# Altium PCB BananaBoard_PCB_4_LAYERS.PcbDoc (part 2 of 3) (continued)
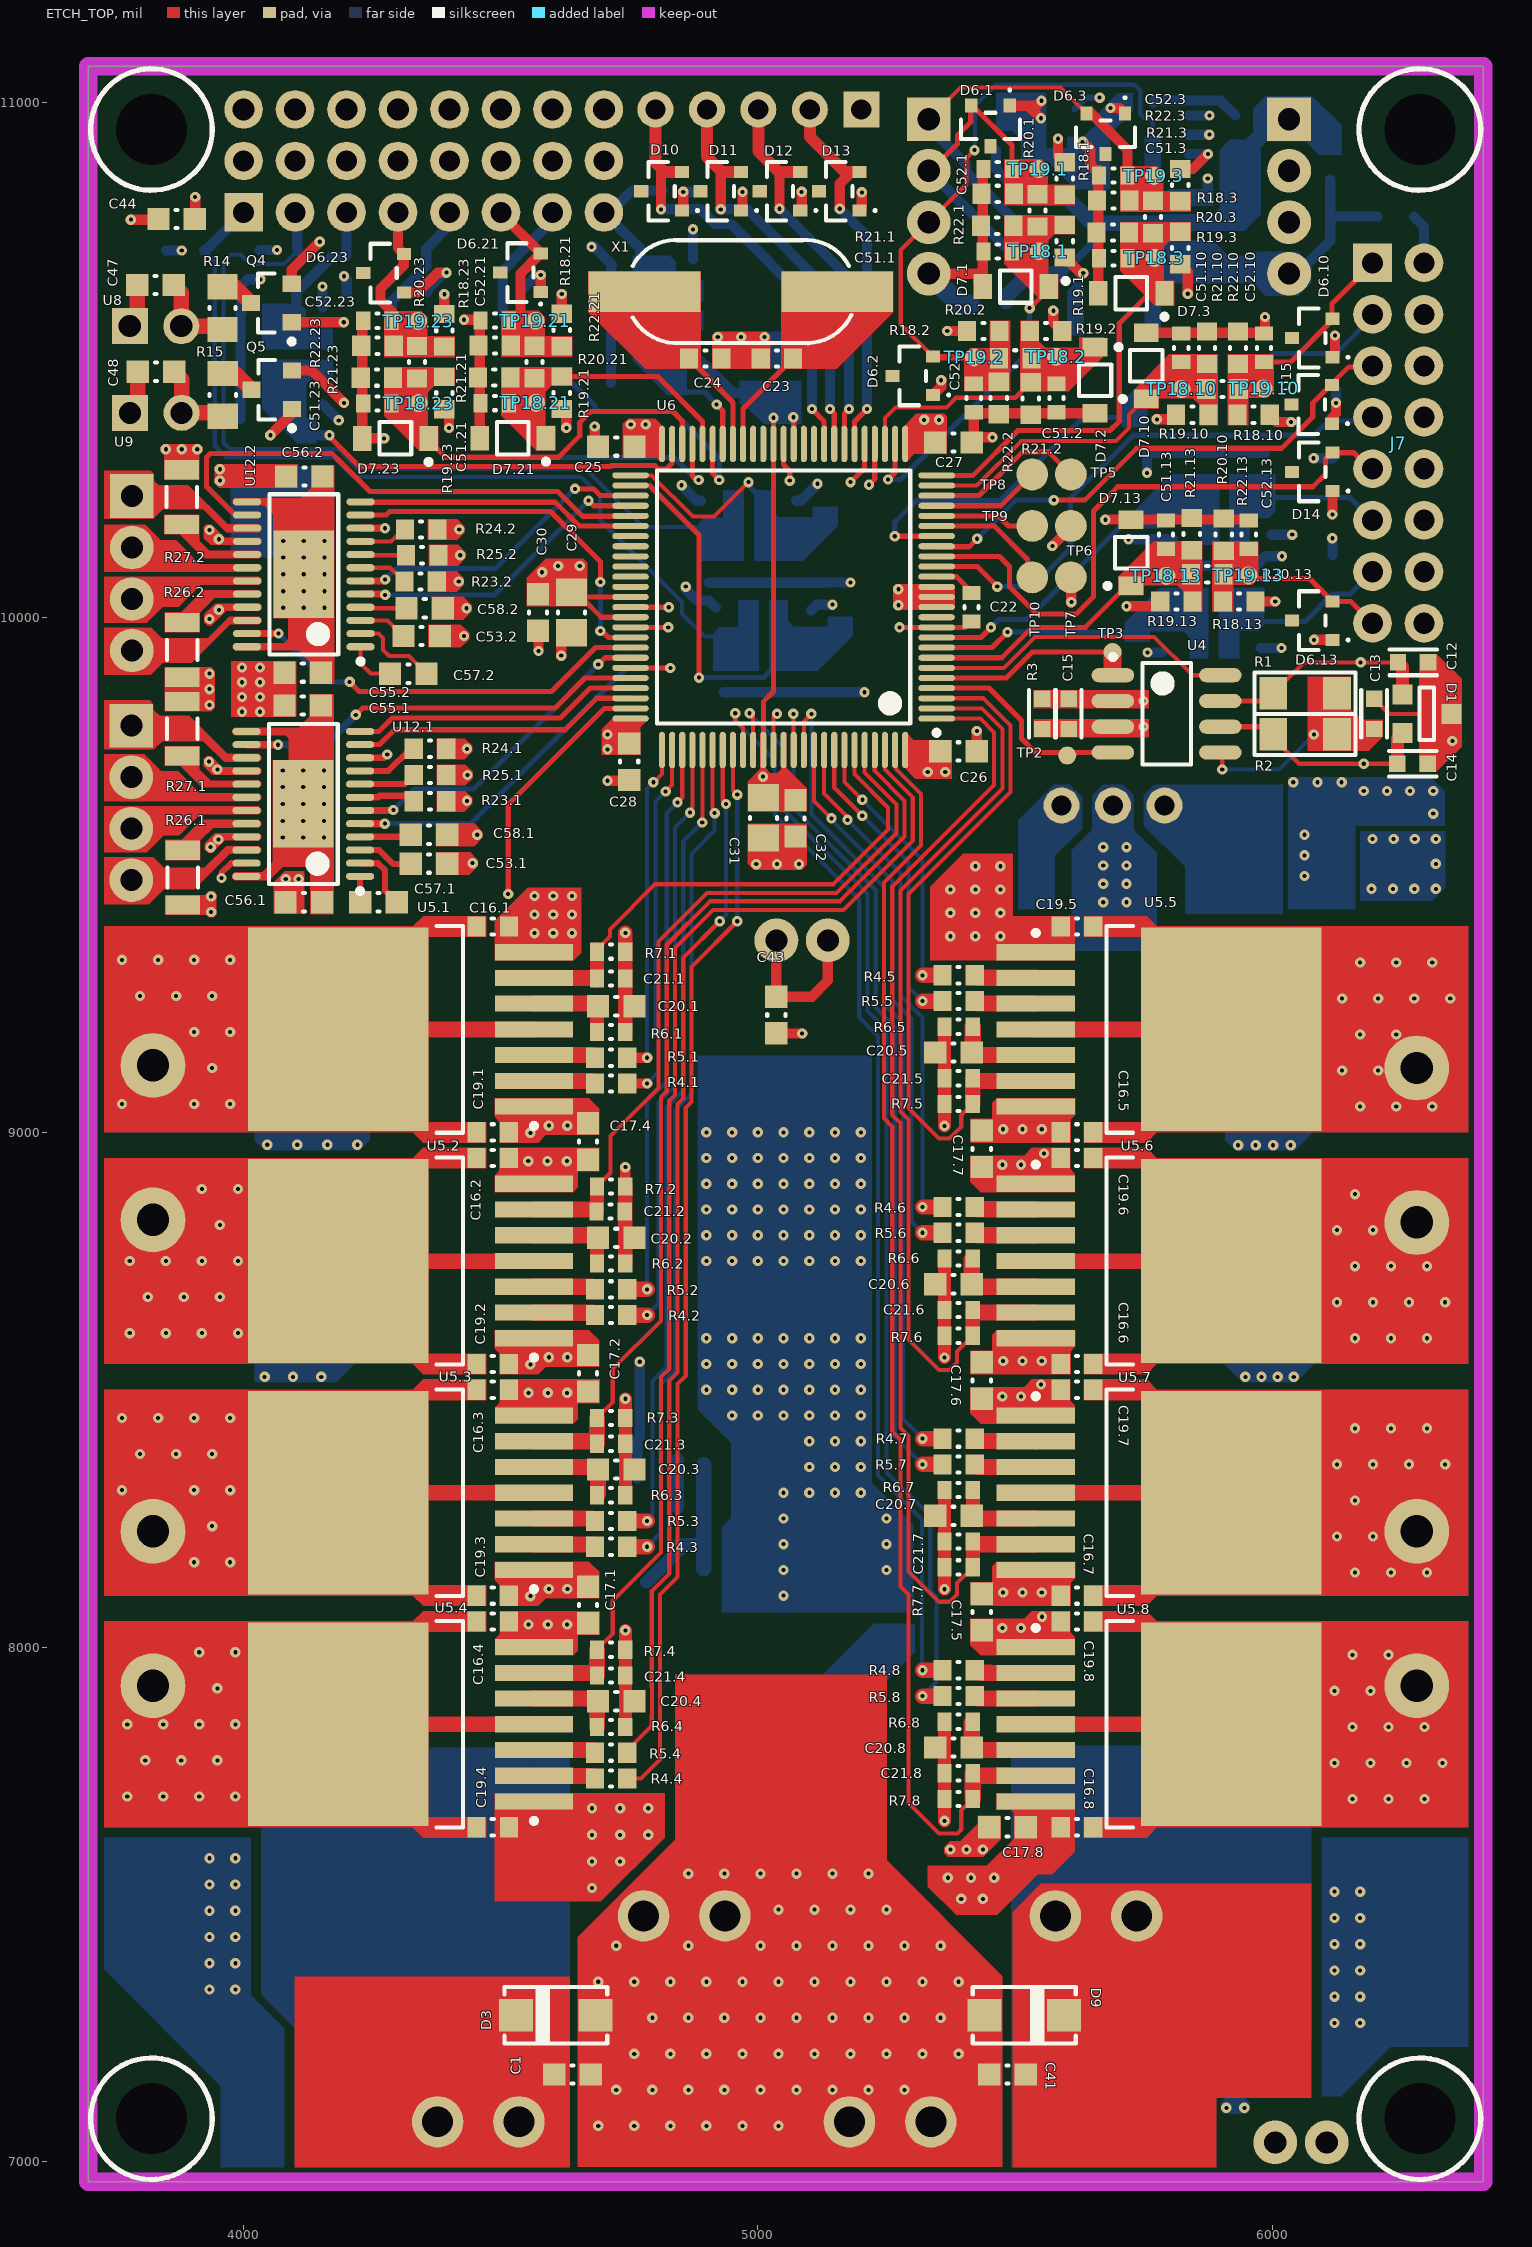
[diagram p0: ETCH_TOP view]
## Nets (pads, with @x,y where several pads share a name; then routed paths per layer and width w, separated by ;. In a path a pad name is that pad's centre, name@x,y a point inside that pad or via, vN(x,y) a via of type N, cw(c..) or ccw(c..) an arc to the next point about the centre after c; other vN are vias at no path point) (continued)
  ETCH_TOP w8: U6.87@5030.31,9742.76 5030.31,9806.32 v1(5037,9813)
  ETCH_TOP w10: U6.66@4752.76,9980.94 4752.81,9981 v1(4826,9981) ; U6.64@4752.76,10020.32 4753.07,10020 v1(4827,10020) ; U6.38@5050,10337.24 5050,10297 5062,10285 v1(5062,10266) ; v1@5275,9980.94 U6.10@5347.24,9980.94 5403.5,9980.94 C22.1@5415,9992.44 ; U4.2@5689.67,9838 v1(5749,9838)
  ETCH_TOP w20: v1(3782,10773) C44.1@3834.57,10773 ; Q4.2@4094.37,10648.4 4094.37,10675.37 v1(4149,10730) ; Q5.2@4095,10480 4133,10480 v1(4196,10417) ; C52.23.1@4231.63,10574.69 D7.23.2@4231.63,10348 v1(4274,10348) ; C52.23.1@4231.95,10578 C52.23.1@4232,10578.05 ; D6.23.1@4312.37,10631.6 4339.6,10631.6 4378,10670 v1(4395,10670) ; v1(4429,10578.5) C52.21.1@4459.95,10578.5 ; D7.21.2@4459.63,10348.5 C52.21.1@4459.63,10575.2 ; C30.1@4573,9974.57 4575,9972.57 4574,9971.57 v1(4574,9935) ; D6.21.1@4578.37,10632.6 v1(4578.37,10665.37) ; v1(4618,9926) 4618,9950.63 C29.1@4638,9970.63 ; C25.1@4683,10338.57 v1(4683,10371) ; v1(4708,9683) 4748.43,9683 C28.1@4750,9684.57 ; R7.2.1@4742.56,8895 v1(4742.56,8932.44) ; D10.1@4855,10793.23 v1(4855,10827) ; D11.1@4970,10793.23 v1(4970,10827) ; C43.1@5036.57,9192 v1(5086,9192) ; D12.1@5085,10793.23 v1(5085,10827) ; D13.1@5202,10795.23 v1(5202,10826) ; J13.4@5332,10668 5427.63,10668 ; D6.2.1@5340,10432.46 5356,10448.46 v1(5356,10461) ; C27.1@5415.43,10340 C27.1@5419.5,10344.06 ; C52.2.1@5419.5,10398.94 C27.1@5419.5,10344.06 ; C52.2.1@5421.31,10397.13 D7.2.2@5648,10397.13 ; C26.1@5425.43,9740 v1(5425.43,9779.57) ; D7.1.2@5427.63,10652 D7.1.2@5436.63,10643 C52.1.1@5436.63,10869.69 ; v1(5456,10350) 5425.43,10350 C27.1@5419.5,10344.06 ; D6.1.1@5489.4,10994.37 5525.63,10994.37 ; v1(5550,10970) 5525.63,10994.37 ; v1(5551,11004) 5541.37,10994.37 5525.63,10994.37 ; v1(5609,10030) TP7.1@5609,10077 ; v1(5631,10924) 5645.69,10909.31 5645.69,10879.39 5656.23,10868.85 5662.94,10868.85 C52.3.1@5662.94,10858.5 ; D7.3.2@5661.13,10630 C52.3.1@5661.13,10856.69 ; v1@5675.37,10190.37 D7.13.2@5725,10190.37 C52.13.1@5951.69,10190.37 ; v1(5685,10990) 5702.27,10990 D6.3.1@5712.9,10979.37 ; D7.10.2@5755,10553.37 C52.10.1@5981.69,10553.37 ; C52.10.1@5985,10553.05 v1(5985,10584) ; v1(6080.4,9956.6) D6.13.1@6116.37,9956.6 ; D15.1@6115.37,10375.6 6115.37,10388.6 6123,10396.23 v1(6123,10417) ; v1@6116.37,10200 D14.1@6116.37,10245.6 ; D6.10.1@6116.37,10505.6 6121,10510.23 v1(6121,10548)
  ETCH_TOP w25: R6.4.1@4742.56,7845 C21.4.1@4742.56,7945 R7.4.1@4742.56,7995 v1(4742.56,8032.56) ; R6.3.1@4742.56,8295 C21.3.1@4742.56,8395 R7.3.1@4742.56,8445 v1(4742.56,8482.44) ; v1(5362.44,7662.56) R7.8.1@5362.44,7705 C21.8.1@5362.44,7755 R6.8.1@5362.44,7855 ; v1(5362.44,8112.56) R7.7.1@5362.44,8155 C21.7.1@5362.44,8205 R6.7.1@5362.44,8305 ; v1(5362.44,8562.56) R7.6.1@5362.44,8605 C21.6.1@5362.44,8655 R6.6.1@5362.44,8755 ; v1(5362.44,9012.56) R7.5.1@5362.44,9055 C21.5.1@5362.44,9105 R6.5.1@5362.44,9205
  ETCH_TOP w27.5: R6.2.1@4742.56,8745 R7.2.1@4742.56,8895 ; R6.1.1@4742.56,9195 v1(4742.56,9387.56)
  ETCH_BOTTOM w20: D6.26.1@3850.23,10713 v1(3881,10713) ; D7.24.2@3995.13,10386 C52.24.1@3995.13,10591.5 ; C52.24.1@3996.95,10591.5 3996.95,10644.94 4009,10657 v2(4034,10657) ; D6.25.1@4032.23,10714 v1(4066,10714) ; v1(4196,10663) 4201.63,10657.37 D6.24.1@4201.63,10628.6 ; C52.22.1@4231.63,10574.69 D7.22.2@4231.63,10348 v1(4274,10348) ; C52.22.1@4231.95,10578 C52.22.1@4232,10578.05 ; D6.22.1@4356.63,10631.6 4356.63,10635.93 4390.7,10670 v1(4395,10670) ; v1@4429,10578 C52.20.1@4459.95,10578 ; D7.20.2@4459.63,10348 C52.20.1@4459.63,10574.69 ; D6.20.1@4538.63,10633.6 4570.4,10665.37 v1(4578.37,10665.37) ; v1(4677,10720) 4681.94,10720 C52.19.1@4716.44,10685.5 ; D7.19.2@4714.63,10456 C52.19.1@4714.63,10682.69 ; v1(4855,10827) D6.19.1@4887.77,10827 ; C52.25.1@4904.31,10067.63 5131,10067.63 5131.37,10068 v1(5180,10068) ; C52.26.1@4933.31,9854.63 D7.26.2@5160,9854.63 ; D7.26.2@5160.63,9855 v1(5207,9855) ; D7.12.2@5737,10100.37 C52.12.1@5963.69,10100.37 ; v1(5756,10281) D7.11.2@5756,10318.37 ; D7.11.2@5758,10320.37 C52.11.1@5984.69,10320.37 ; C51.6.1@5812.56,10551.56 C51.6.1@5823,10551.56 ; U2.2@5836.72,10938 v1(5877,10938) ; 5874,10817.73 v1(5874,10853) ; C52.12.1@5967,10100.05 5985.95,10119 v1(6018,10119) ; J12.4@6032,10668 6048,10668 6112,10732 C11.1@6112,10850.57 ; v1(6079.6,10309.4) D6.11.1@6116.37,10309.4 ; 6113,10779 C10.1@6203.57,10779 ; D6.12.1@6116.37,10120.4 v1@6116.37,10153.63 ; D16.1@6116.37,10450.4 6123,10443.77 v1(6123,10417)
  ETCH_BOTTOM w40: J13.4@5332,10668 5392,10608 C9.1@5411.57,10608
  other v1: 5910,7105 5945,7105 6120,7270 6170,7270 6120,7321 6170,7321 3935,7335 3985,7335 6120,7372 6170,7372 3935,7386 3985,7386 6120,7423 6170,7423 3935,7437 3985,7437 6120,7474 6170,7474 3935,7488 3985,7488 6120,7525 6170,7525 4678,7532 3935,7539 3985,7539 4678,7583.67 4732.5,7583.67 3935,7590 3985,7590 5374,7607 5405.5,7607 5437,7607 4678,7635.33 4732.5,7635.33 4787,7635.33 4678,7687 4732.5,7687 4787,7687 5475,8037 5511,8037 5552,8059 4558,8099 5050,8100 4594,8113 4630,8113 5050,8150 5250,8150 5050,8200 5250,8200 5050,8250 5250,8250 5050,8300 5100,8300 5150,8300 5200,8300 5100,8350 5150,8350 5200,8350 5100,8400 5150,8400 5200,8400 4950,8450 5000,8450 5050,8450 5100,8450 5150,8450 5200,8450 5475,8487 5511,8487 4900,8500 4950,8500 5000,8500 5050,8500 5100,8500 5150,8500 5200,8500 5550,8510 4042,8525 4097,8525 4152,8525 5947,8525 5978.33,8525 6009.67,8525 6041,8525 4558,8549 4900,8550 4950,8550 5000,8550 5050,8550 5100,8550 5150,8550 5200,8550 4594,8563 4630,8563 4900,8600 4950,8600 5000,8600 5050,8600 5100,8600 5150,8600 5200,8600 4900,8750 4950,8750 5000,8750 5050,8750 5100,8750 5150,8750 5200,8750 4900,8800 4950,8800 5000,8800 5050,8800 5100,8800 5150,8800 5200,8800 4900,8850 4950,8850 5000,8850 5050,8850 5100,8850 5150,8850 5200,8850 4900,8900 4950,8900 5000,8900 5050,8900 5100,8900 5150,8900 5200,8900 5475,8937 5511,8937 4900,8950 4950,8950 5000,8950 5050,8950 5100,8950 5150,8950 5200,8950 5556,8959 5933,8975 5967,8975 6001,8975 6035,8975 4047,8976 4105.33,8976 4163.67,8976 4222,8976 4558,8999 4900,9000 4950,9000 5000,9000 5050,9000 5100,9000 5150,9000 5200,9000 4594,9013 4630,9013 5374,9381 5422.5,9381 5471,9381 5374,9426.33 5422.5,9426.33 5471,9426.33 3938,9428 5671,9447 5716,9447 3938,9458 5374,9471.67 5422.5,9471.67 5471,9471.67 6192,9473 6233.67,9473 6275.33,9473 6317,9473 5671,9482.67 5716,9482.67 5422.5,9517 5471,9517 5671,9518.33 5716,9518.33 4997,9521 5037,9521 5080,9521 6317,9521.5 5671,9554 5716,9554 6194,9570 6235,9570 6276,9570 6317,9570 4077,9573 4117,9573 4157,9573 4455,9578 4077,9605 4117,9605 4157,9605 4077,9638 4117,9638 4157,9638 4077,9671 4117,9671 4157,9671 4436,9694 4077,9703 4117,9703 4157,9703 3935,9830 3935,9861 3935,9891 5275,9981 4434,10018 4078,10019 4118,10019 4158,10019 5273,10024 4078,10051 4118,10051 4158,10051 5273,10055 4078,10084 4118,10084 4158,10084 4078,10117 4118,10117 4158,10117 4422,10121 4078,10149 4118,10149 4158,10149 6116,10154 5675,10190 6116,10200 3850,10327 3881,10327 3911,10327 4922,10545 4967.5,10545 5013,10545
NetC1_2: C1.2 C36.2.1 C37.2.2 C38.2.1 D3.2 J1.4 L1.2.1
NetC7_2: C7.2 U2.4 | length 174.9
  ETCH_BOTTOM w20: C7.2@5768.56,11000 5768.56,11004.23 5898.45,11004.23 U2.4@5927.28,10975.4
NetC12_1: C12.1 D1.1 J16.2 R1.2 U4.7 | length 3776.7
  ETCH_TOP w8: R1.2@6001,9853 6061,9913 v1(6171,9913) C12.1@6243.5,9913
  ETCH_TOP w10: U4.7@5898.33,9838 R1.2@5987,9838
  ETCH_TOP w25: C12.1@6243.5,9913 6252.5,9904 D1.1@6252.5,9850.5
  ETCH_3_POWER w8: J16.2@5986,7039 6006,7059 6006,7193 6067,7254 6067,9422.63 6077.37,9433 6317,9433 6351.5,9467.5 6351.5,9663.88 6322.19,9693.19 6168.7,9693.19 6142,9719.89 6142,9884 v1(6171,9913)
NetC13_1: C13.1 R1.1 R2.2 U4.5 | length 240.7
  ETCH_TOP w8: U4.5@5898.33,9738 5902,9734.33 v1(5902,9705)
  ETCH_BOTTOM w8: v1(5902,9705) 6012,9705 v1(6080,9773)
NetC14_2: C14.2 D1.2 J16.1 R2.1 U4.6 | length 3533.3
  ETCH_TOP w8: R2.1@6001,9773 6001,9766 6051,9716 v1(6177,9716) C14.2@6242.5,9716
  ETCH_TOP w10: U4.6@5898.33,9788 R2.1@5987,9788
  ETCH_TOP w25: C14.2@6242.5,9716 6242.5,9765.5 D1.2@6252.5,9775.5
  ETCH_3_POWER w8: J16.1@6086,7039 6107,7060 6107,7230 6083,7254 6083,9416 6332,9416 6367.5,9451.5 6367.5,9670.5 6323,9715 6188,9715
NetC16.1_1: C16.1.1 C19.1.2 J2.2 U5.1.4 U5.1.8 | length 379.9
  ETCH_TOP w31.5: U5.1.8@4185.24,9200 U5.1.4@4565.16,9200
  other v1: 3765,9055 3905,9055 3975,9055 3940,9125 3905,9195 3975,9195 3800,9265 3870,9265 3940,9265 3765,9335 3835,9335 3905,9335 3975,9335
NetC16.2_1: C16.2.1 C19.2.2 J2.1 U5.2.4 U5.2.8 | length 379.9
  ETCH_TOP w30: U5.2.8@4185.24,8750 U5.2.4@4565.16,8750
  other v1: 3780,8610 3850,8610 3920,8610 3990,8610 3815,8680 3885,8680 3955,8680 3780,8750 3850,8750 3920,8750 3990,8750 3955,8820 3920,8890 3990,8890
NetC16.3_1: C16.3.1 C19.3.2 J3.2 U5.3.4 U5.3.8 | length 379.9
  ETCH_TOP w30: U5.3.8@4185.24,8300 U5.3.4@4565.16,8300
  other v1: 3905,8165 3975,8165 3940,8235 3765,8305 3905,8305 3975,8305 3800,8375 3870,8375 3940,8375 3765,8445 3835,8445 3905,8445 3975,8445
NetC16.4_1: C16.4.1 C19.4.2 J3.1 U5.4.4 U5.4.8 | length 379.9
  ETCH_TOP w30: U5.4.8@4185.24,7850 U5.4.4@4565.16,7850
  other v1: 3775,7710 3845,7710 3915,7710 3985,7710 3810,7780 3880,7780 3950,7780 3775,7850 3845,7850 3915,7850 3985,7850 3950,7920 3915,7990 3985,7990
NetC16.5_1: C16.5.1 C19.5.2 J4.1 U5.5.4 U5.5.8 | length 379.9
  ETCH_TOP w31.5: U5.5.4@5539.84,9200 U5.5.8@5919.76,9200
  other v1: 6170,9050 6240,9050 6310,9050 6135,9120 6205,9120 6170,9190 6240,9190 6135,9260 6205,9260 6275,9260 6345,9260 6170,9330 6240,9330 6310,9330
NetC16.6_1: C16.6.1 C19.6.2 J4.2 U5.6.4 U5.6.8 | length 379.9
  ETCH_TOP w30: U5.6.4@5539.84,8750 U5.6.8@5919.76,8750
  other v1: 6160,8600 6230,8600 6300,8600 6125,8670 6195,8670 6265,8670 6335,8670 6160,8740 6230,8740 6300,8740 6125,8810 6195,8810 6160,8880
NetC16.7_1: C16.7.1 C19.7.2 J6.1 U5.7.4 U5.7.8 | length 379.9
  ETCH_TOP w30: U5.7.4@5539.84,8300 U5.7.8@5919.76,8300
  other v1: 6160,8145 6230,8145 6300,8145 6125,8215 6195,8215 6160,8285 6125,8355 6195,8355 6265,8355 6335,8355 6160,8425 6230,8425 6300,8425
NetC16.8_1: C16.8.1 C19.8.2 J6.2 U5.8.4 U5.8.8 | length 379.9
  ETCH_TOP w30: U5.8.4@5539.84,7850 U5.8.8@5919.76,7850
  other v1: 6155,7705 6225,7705 6295,7705 6120,7775 6190,7775 6260,7775 6330,7775 6155,7845 6225,7845 6295,7845 6120,7915 6190,7915 6155,7985 6225,7985
NetC20.1_2: C20.1.2 R6.1.2 U5.1.5 | length 167.3
  ETCH_TOP w27.5: R6.1.2@4687.44,9195 C20.1.2@4687.44,9242.87
  ETCH_TOP w31.5: U5.1.5@4565.16,9250 C20.1.2@4684.57,9250
NetC20.2_2: C20.2.2 R6.2.2 U5.2.5 | length 175.6
  ETCH_TOP w27.5: R6.2.2@4687.44,8745 C20.2.2@4687.44,8797.13
  ETCH_TOP w31.5: U5.2.5@4565.16,8800 4684.57,8800 C20.2.2@4687.44,8797.13
NetC20.3_2: C20.3.2 R6.3.2 U5.3.5 | length 167.3
  ETCH_TOP w31.5: U5.3.5@4565.16,8350 C20.3.2@4684.57,8350 ; R6.3.2@4689.57,8297.13 C20.3.2@4689.57,8345
NetC20.4_2: C20.4.2 R6.4.2 U5.4.5 | length 175.6
  ETCH_TOP w31.5: U5.4.5@4565.16,7900 4684.57,7900 4687.44,7897.13 R6.4.2@4687.44,7845
NetC20.5_2: C20.5.2 R6.5.2 U5.5.5 | length 167.3
  ETCH_TOP w31.5: C20.5.2@5417.56,9157.13 R6.5.2@5417.56,9205 ; C20.5.2@5420.43,9150 U5.5.5@5539.84,9150
NetC20.6_2: C20.6.2 R6.6.2 U5.6.5 | length 167.3
  ETCH_TOP w31.5: C20.6.2@5415.43,8705 R6.6.2@5415.43,8752.87 ; C20.6.2@5420.43,8700 U5.6.5@5539.84,8700
NetC20.7_2: C20.7.2 R6.7.2 U5.7.5 | length 175.6
  ETCH_TOP w27: C20.7.2@5417.56,8252.87 R6.7.2@5417.56,8305
  ETCH_TOP w31.5: C20.7.2@5417.56,8252.87 5420.43,8250 U5.7.5@5539.84,8250
NetC20.8_2: C20.8.2 R6.8.2 U5.8.5 | length 167.3
  ETCH_TOP w31.5: C20.8.2@5415.43,7805 R6.8.2@5415.43,7852.87 ; C20.8.2@5420.43,7800 U5.8.5@5539.84,7800
NetC21.1_2: C21.1.2 R7.1.2 U5.1.6 U6.95 | length 1029.2
  ETCH_TOP w8: R7.1.2@4687.44,9355.44 4712.65,9380.65 4712.65,9394.07 4800.58,9482 5147,9482 5253,9588 5253,9630.52 5187.8,9695.72 U6.95@5187.8,9742.76
  ETCH_TOP w27.5: C21.1.2@4687.44,9295 R7.1.2@4687.44,9355.44
  ETCH_TOP w31.5: U5.1.6@4565.16,9300 C21.1.2@4682.44,9300
NetC21.2_2: C21.2.2 R7.2.2 U5.2.6 U6.96 | length 1426.6
  ETCH_TOP w8: R7.2.2@4687.44,8895 4714,8921.56 4714,8992.89 4807,9085.89 4807,9371.02 4900.98,9465 5153,9465 5269,9581 5269,9637.15 5207.48,9698.67 U6.96@5207.48,9742.76
  ETCH_TOP w27.5: C21.2.2@4687.44,8845 R7.2.2@4687.44,8895
  ETCH_TOP w31.5: U5.2.6@4565.16,8850 C21.2.2@4680,8850
NetC21.3_2: C21.3.2 R7.3.2 U5.3.6 U6.97 | length 1884.1
  ETCH_TOP w8: R7.3.2@4687.44,8445 4718.06,8475.62 4718.06,8539.88 4812,8633.82 4812,9068.26 4823,9079.26 4823,9364.39 4907.61,9449 5159.63,9449 5285,9574.37 5285,9643.77 5227.17,9701.61 U6.97@5227.17,9742.76
  ETCH_TOP w31.5: U5.3.6@4565.16,8400 C21.3.2@4682.44,8400 ; C21.3.2@4687.44,8395 R7.3.2@4687.44,8445
NetC21.4_2: C21.4.2 R7.4.2 U5.4.6 U6.98 | length 2339.7
  ETCH_TOP w8: R7.4.2@4687.44,7995 4718.06,8025.62 4718.06,8089.88 4812,8183.82 4812,8524.47 4828,8540.47 4828,9061.63 4839,9072.63 4839,9357.77 4913.23,9432 5166,9432 5301,9567 5301,9650.4 5246.85,9704.55 U6.98@5246.85,9742.76
  ETCH_TOP w31.5: U5.4.6@4565.16,7950 C21.4.2@4682.44,7950 ; C21.4.2@4687.44,7945 R7.4.2@4687.44,7995
NetC21.5_2: C21.5.2 R7.5.2 U5.5.6 U6.3 | length 1347.7
  ETCH_TOP w8: U6.3@5347.24,9843.15 5438.22,9843.15 5491.09,9790.28 5491.09,9661.09 5293,9463 5293,9047.35 5352.29,8988.06 5372.59,8988.06 5395,9010.47 5395,9032.44 R7.5.2@5417.56,9055
  ETCH_TOP w30: R7.5.2@5417.56,9055 C21.5.2@5417.56,9105
  ETCH_TOP w31.5: C21.5.2@5422.56,9100 U5.5.6@5539.84,9100
NetC21.6_2: C21.6.2 R7.6.2 U5.6.6 U6.2 | length 1776.3
  ETCH_TOP w8: U6.2@5347.24,9823.46 5435.28,9823.46 5475.09,9783.65 5475.09,9667.71 5277,9469.63 5277,9040.72 5293,9024.72 5293,8597.35 5352.29,8538.06 5372.59,8538.06 5386.94,8552.41 5386.94,8574.38 R7.6.2@5417.56,8605
  ETCH_TOP w27.5: R7.6.2@5417.56,8605 C21.6.2@5417.56,8655
  ETCH_TOP w31.5: C21.6.2@5422.56,8650 U5.6.6@5539.84,8650
NetC21.7_2: C21.7.2 R7.7.2 U5.7.6 U6.1 | length 2204
  ETCH_TOP w8: 5261,9034.1 5277,9018.1 5277,8426 5293,8410 5293,8147.35 5352.29,8088.06 5372.59,8088.06 5386.94,8102.41 5386.94,8124.38 R7.7.2@5417.56,8155 ; 5261,9035 5261,9476.25 5459.09,9674.34 5459.09,9777.03 5432.33,9803.78 U6.1@5347.24,9803.78
  ETCH_TOP w27: R7.7.2@5417.56,8155 C21.7.2@5417.56,8205
  ETCH_TOP w31.5: C21.7.2@5422.56,8200 U5.7.6@5539.84,8200
NetC21.8_2: C21.8.2 R7.8.2 U5.8.6 U6.99 | length 2481.9
  ETCH_TOP w8: U6.99@5266.54,9742.76 5268,9741.29 5268,9706.03 5317,9657.03 5317,9557 5245,9485 5245,9027.47 5261,9011.47 5261,8419.37 5277,8403.37 5277,8118 5293,8102 5293,7697.35 5352.29,7638.06 5387.77,7638.06 5395,7645.29 5395,7682.44 R7.8.2@5417.56,7705
  ETCH_TOP w31.5: R7.8.2@5417.56,7705 C21.8.2@5417.56,7755 ; C21.8.2@5422.56,7750 U5.8.6@5539.84,7750
NetC22_2: C22.2 U6.15 | length 82.4
  ETCH_TOP w10: U6.15@5347.24,10079.37 5385.63,10079.37 5415,10050 C22.2@5415,10047.56
NetC23_2: C23.2 U6.42 X1.1 | length 206
  ETCH_TOP w10: U6.42@4971.26,10337.24 4971.26,10405.76 C23.2@5068.5,10503
NetC24_2: C24.2 U6.43 X1.2 | length 201
  ETCH_TOP w10: C24.2@4866.5,10503 4951.57,10417.93 U6.43@4951.57,10337.24
NetC47_1: C47.1 R14.2 U8.2 | length 139.1
  ETCH_TOP w30: C47.1@3880,10631.43 U8.2@3880,10566 R14.2@3953.66,10566
NetC48_1: C48.1 R15.2 U9.2 | length 139.1
  ETCH_TOP w30: C48.1@3880.63,10463.03 U9.2@3880.63,10397.6 R15.2@3954.29,10397.6
NetC51.1_2: C51.1.2 D7.1.1 R19.1.2 R20.1.2 R21.1.1 TP18.1.1 U6.27 | length 597.5
  ETCH_TOP w10: v1(5253,10268) 5266.54,10281.54 U6.27@5266.54,10337.24 ; v1(5528,10601) 5565.37,10638.37 D7.1.1@5565.37,10643
  ETCH_BOTTOM w10: v1@5250,10265 v1(5253,10268) 5277,10268 5528,10519 v1(5528,10601)
NetC51.2_2: C51.2.2 D7.2.1 R19.2.2 R20.2.2 R21.2.1 TP18.2.1 U6.28 | length 366.8
  ETCH_TOP w8: U6.28@5246.85,10337.24 5246.85,10387.85 5267.28,10408.28 5366.15,10408.28 5384.87,10427 5500.01,10427 R21.2.1@5530,10456.99
  ETCH_TOP w10: D7.2.1@5648,10525.87 D7.2.1@5652.37,10525.87
NetC51.3_2: C51.3.2 D7.3.1 R19.3.2 R20.3.2 R21.3.1 TP18.3.1 U6.25 | length 704.8
  ETCH_TOP w10: U6.25@5347.24,10276.22 5418.22,10276.22 5505.28,10363.28 5684.28,10363.28 5702,10381 5702,10571 5761,10630 D7.3.1@5789.87,10630 D7.3.1@5789.87,10625.63
NetC51.6_2: C51.6.2 D7.6.1 R19.6.2 R20.6.2 R21.6.1 TP18.6.1 U6.19 | length 658.5
  ETCH_TOP w10: v1(5266,10158) U6.19@5347.13,10158
  ETCH_BOTTOM w10: v1(5266,10158) 5266,10185 5308.31,10227.32 5470.31,10227.32 5631.63,10388.63 D7.6.1@5732,10388.63
NetC51.10_2: C51.10.2 D7.10.1 R19.10.2 R20.10.2 R21.10.1 TP18.10.1 U6.24 | length 489.2
  ETCH_TOP w8: U6.24@5347.24,10256.54 5425.27,10256.54 5511.73,10343 5695.96,10343 5721,10368.04 5721,10394 D7.10.1@5751.63,10424.63
NetC51.11_2: C51.11.2 D7.11.1 R19.11.2 R20.11.2 R21.11.1 TP18.11.1 U6.9 | length 507.6
  ETCH_TOP w10: U6.9@5347.24,9961.26 5347.5,9961 5433.44,9961 5453,9980.56 v1(5453,9981)
  ETCH_BOTTOM w10: v1(5453,9981) 5468,9996 5523,9996 5717.63,10190.63 D7.11.1@5755,10190.63 ; D7.11.1@5753.63,10191.63 D7.11.1@5758,10191.63
NetC51.12_2: C51.12.2 D7.12.1 R19.12.2 R20.12.2 R21.12.1 TP18.12.1 U6.8 | length 383.1
  ETCH_TOP w10: U6.8@5347.24,9941.57 5454.94,9941.57 v1(5485,9971.63)
  ETCH_BOTTOM w10: v1(5485,9971.63) D7.12.1@5717.91,9971.63
NetC51.13_2: C51.13.2 D7.13.1 R19.13.2 R20.13.2 R21.13.1 TP18.13.1 U6.7 | length 435.6
  ETCH_TOP w10: U6.7@5347.24,9921.89 5347.35,9922 5473.92,9922 5532.92,9981 5636,9981 5716.63,10061.63 D7.13.1@5725,10061.63
NetC51.19_2: C51.19.2 D7.19.1 R19.19.2 R20.19.2 R21.19.1 TP18.19.1 U6.44 | length 168.2
  ETCH_TOP w10: v1(4920,10414) 4931.89,10402.11 U6.44@4931.89,10337.24
  ETCH_BOTTOM w10: D7.19.1@4843.37,10437.91 4896.09,10437.91 v1(4920,10414)
NetC51.20_2: C51.20.2 D7.20.1 R19.20.2 R20.20.2 R21.20.1 TP18.20.1 U6.45 | length 491.4
  ETCH_TOP w10: U6.45@4912.2,10337.24 4912.2,10279.8 v1(4925,10267)
  ETCH_BOTTOM w10: R19.20.2@4619,10467.5 4627.5,10467.5 4683.72,10411.28 4683.72,10408.5 4692.22,10400 4835,10400 4925,10310 v1(4925,10267)
NetC51.21_2: C51.21.2 D7.21.1 R19.21.2 R20.21.2 R21.21.1 TP18.21.1 U6.46 | length 357.7
  ETCH_TOP w10: D7.21.1@4588.37,10344.13 D7.21.1@4588.37,10348.5 ; R19.21.2@4619,10468 4685.52,10468 4805.52,10468 4892.52,10381 U6.46@4892.52,10337.24
NetC51.22_2: C51.22.2 D7.22.1 R19.22.2 R20.22.2 R21.22.1 TP18.22.1 U6.47 | length 637.3
  ETCH_TOP w10: 4872.83,10275.17 U6.47@4872.83,10337.24 ; 4874,10274 4881,10267 v1(4885,10267)
  ETCH_BOTTOM w10: D7.22.1@4360.37,10343.63 D7.22.1@4360.37,10345 ; D7.22.1@4360.37,10348 D7.22.1@4360.37,10345 ; v1(4885,10267) 4881,10267 4837.02,10310.98 4394.39,10310.98 D7.22.1@4360.37,10345
NetC51.23_2: C51.23.2 D7.23.1 R19.23.2 R20.23.2 R21.23.1 TP18.23.1 U6.48 | length 615
  ETCH_TOP w10: D7.23.1@4360.37,10343.63 D7.23.1@4360.37,10345 ; D7.23.1@4360.37,10348 D7.23.1@4360.37,10345 ; U6.48@4853.15,10337.24 4853.15,10381.85 4835,10400 4675,10400 4654,10379 4654,10353 4612.49,10311.49 4393.88,10311.49 D7.23.1@4360.37,10345
NetC51.24_2: C51.24.2 D7.24.1 R19.24.2 R20.24.2 R21.24.1 TP18.24.1 U6.49 | length 786.8
  ETCH_TOP w10: v1(4168,10354) 4168,10351.32 4225.83,10293.49 4713.76,10293.49 4715.4,10295.13 4799.49,10295.13 4805.62,10289 4805.76,10289 4805.95,10288.81 4821.61,10288.81 4821.8,10289 4822.38,10289 4833,10299.62 4833,10300.2 4833.46,10300.67 U6.49@4833.46,10337.24
  ETCH_BOTTOM w10: D7.24.1@4126.37,10363 4135.37,10354 D7.24.1@4138.37,10351
  ETCH_BOTTOM w20: D7.24.1@4135.37,10354 v1(4168,10354)
NetC51.25_2: C51.25.2 D7.25.1 R19.25.2 R20.25.2 R21.25.1 TP18.25.1 U6.51 | length 344.9
  ETCH_TOP w8: U6.51@4752.76,10276.22 4793.82,10276.22 4874.04,10196 4915,10196 v1(4982,10263)
  ETCH_BOTTOM w10: v1(4982,10263) 4982,10256.5 R19.25.2@5011.5,10227 R19.25.2@5011.5,10233.5
NetC51.26_2: C51.26.2 D7.26.1 R19.26.2 R20.26.2 R21.26.1 TP18.26.1 U6.52 | length 619.2
  ETCH_TOP w10: U6.52@4752.76,10256.54 4789.46,10256.54 4885.56,10160.44 v1(4885.56,9883.22)
  ETCH_BOTTOM w10: v1(4885.56,9883.22) 5010.72,9883.22 R21.26.1@5042,9914.5
NetC52.19_2: C52.19.2 D6.19.2 J15.8 R18.19.2 R20.19.1 R22.19.1 TP19.19.1 | length 265
  ETCH_BOTTOM w10: C52.19.2@4769.5,10685.5 C52.19.2@4771.56,10685.5
  ETCH_BOTTOM w20: C52.19.2@4771.56,10685.5 4771.56,10716.44 J15.8@4701,10787 4713,10787 4755.63,10829.63 D6.19.2@4815.6,10829.63
NetC52.20_2: C52.20.2 D6.20.2 J15.7 R18.20.2 R20.20.1 R22.20.1 TP19.20.1 | length 255.7
  ETCH_BOTTOM w20: C52.20.2@4516.56,10576.5 4504.23,10588.83 4504.23,10674 D6.20.2@4538.63,10708.4 4601,10770.77 J15.7@4601,10787
NetC52.21_2: C52.21.2 D6.21.2 J15.6 R18.21.2 R20.21.1 R22.21.1 TP19.21.1 | length 249.4
  ETCH_TOP w20: J15.6@4501,10787 4501,10784.77 D6.21.2@4578.37,10707.4 4539,10668.03 4539,10586
NetC52.22_2: C52.22.2 D6.22.2 J15.5 R18.22.2 R20.22.1 R22.22.1 TP19.22.1 | length 257.1
  ETCH_BOTTOM w20: C52.22.2@4288.56,10576.5 4288.56,10614.57 4335.39,10661.41 4356,10682 4356,10716.77 4401,10761.77 J15.5@4401,10787
NetC52.23_2: C52.23.2 D6.23.2 J15.4 R18.23.2 R20.23.1 R22.23.1 TP19.23.1 | length 242.9
  ETCH_TOP w20: C52.23.2@4288.56,10576.5 4288.56,10594.44 4267,10616 4267,10639 4312.37,10684.37 D6.23.2@4312.37,10706.4 4301,10717.77 J15.4@4301,10787
NetC52.24_2: C52.24.2 D6.24.2 J15.3 R18.24.2 R20.24.1 R22.24.1 TP19.24.1 | length 249.4
  ETCH_BOTTOM w20: TP19.24.1@4103.5,10591 4103.5,10631.6 4173.41,10701.5 D6.24.2@4199.73,10701.5 ; D6.24.2@4201,10703.4 J15.3@4201,10787
NetC52.25_2: C52.25.2 D6.25.2 J15.2 R18.25.2 R20.25.1 R22.25.1 TP19.25.1 | length 1605.9
  ETCH_BOTTOM w8: D6.25.2@4105.4,10712.37 4079.62,10686.59 4013.82,10686.59 3995.41,10705 3977,10705 3962.29,10690.29 3962.29,10339.44 3974.75,10326.98 4184.02,10326.98 4222,10289 4664.89,10289 4777.89,10176 TP19.25.1@4903,10176
  ETCH_BOTTOM w10: D6.25.2@4102.76,10712.37 D6.25.2@4105.4,10712.37
  ETCH_BOTTOM w20: J15.2@4101,10787 4105.4,10782.6 D6.25.2@4105.4,10712.37
NetC52.26_2: C52.26.2 D6.26.2 J15.1 R18.26.2 R20.26.1 R22.26.1 TP19.26.1 | length 1675.5
  ETCH_BOTTOM w8: D6.26.2@3924.4,10712.37 3945,10691.77 3945,10334.1 3968.12,10310.98 4176.99,10310.98 4214.97,10273 4656.11,10273 4693,10236.11 4693,10190 4853,10030 4853,10007 4897,9963 TP19.26.1@4932,9963
  ETCH_BOTTOM w20: D6.26.2@3924.4,10712.37 3926.37,10712.37 J15.1@4001,10787
NetC53.1_1: C53.1.1 U12.1.3 | length 109.7
  ETCH_TOP w12: U12.1.3@4227.24,9548.43 4264.57,9548.43 4292,9521 C53.1.1@4325.57,9521
NetC53.2_1: C53.2.1 U12.2.3 | length 95.9
  ETCH_TOP w8: U12.2.3@4228.24,9994.43 4280.86,9994.43 4311.29,9964 C53.2.1@4311.57,9964
NetC57.1_1: C57.1.1 U12.1.2 | length 125.6
  ETCH_TOP w12: U12.1.2@4227.24,9522.84 4261.87,9522.84 4276,9508.72 4276,9469.43 C57.1.1@4298.43,9447
NetC57.1_2: C57.1.2 U12.1.1 | length 49.9
  ETCH_TOP w12: C57.1.2@4227.24,9447.33 U12.1.1@4227.24,9497.25
NetC57.2_1: C57.2.1 U12.2.2 | length 173.9
  ETCH_TOP w8: U12.2.2@4228.24,9968.84 4263.16,9968.84 4272,9960 4272,9937 4284,9925 4322.43,9925 C57.2.1@4356.43,9891
NetC57.2_2: C57.2.2 U12.2.1 | length 98
  ETCH_TOP w8: U12.2.1@4228.24,9943.25 4228.24,9910.76 4248,9891 C57.2.2@4285.57,9891
NetC58.1_2: C58.1.2 U12.1.4 | length 101.2
  ETCH_TOP w12: U12.1.4@4227.24,9574.02 C58.1.2@4318.59,9574.02 ; C58.1.2@4318.59,9571.02 C58.1.2@4325.57,9578
NetC58.2_2: C58.2.2 U12.2.4 | length 87.3
  ETCH_TOP w8: U12.2.4@4230.26,10018 C58.2.2@4317.57,10018
NetC59_2: C59.2 L2.1 U3.3
NetD4_3: D4.3 R12.2 | length 93.9
  ETCH_BOTTOM w25: R12.2@4844.37,8271.06 D4.3@4844.37,8365
NetD5_1: D5.1 Q3.1 R12.1 R13.2 TP16.1 | length 350.6
  ETCH_BOTTOM w25: TP16.1@4784,8126 4845,8187 R12.1@4845,8199.57 Q3.1@4894.57,8199.57
  ETCH_BOTTOM w30: Q3.1@4895,8152.13 D5.1@4895,8354.37
NetD10_2: D10.2 J5.5 U6.34 | length 924.5
  ETCH_TOP w10: v1(5105,10405) 5128.74,10381.26 U6.34@5128.74,10337.24
  ETCH_TOP w20: v1(4812,10793) 4812,10865.4 D10.2@4852.37,10865.4
  ETCH_TOP w23: J5.5@4801,10987 4801,10884 4819.6,10865.4 D10.2@4852.37,10865.4
  ETCH_BOTTOM w20: v1(4812,10793) 4888.4,10793 4916.4,10765 4947,10765 5105,10607 v1(5105,10405)
NetD11_2: D11.2 J5.4 U6.33 | length 859.3
  ETCH_TOP w10: v1(5140,10405) 5148.43,10396.57 U6.33@5148.43,10337.24
  ETCH_TOP w20: v1(4928,10793) 4928,10865.4 D11.2@4967.37,10865.4
  ETCH_TOP w23: J5.4@4901,10987 4901,10895 4930.6,10865.4 D11.2@4967.37,10865.4
  ETCH_BOTTOM w20: v1(4928,10793) 4979,10793 5140,10632 v1(5140,10405)
NetD12_2: D12.2 J5.3 U6.32 | length 807.3
  ETCH_TOP w10: U6.32@5168.11,10337.24 5168.11,10396.11 v1(5177,10405)
  ETCH_TOP w20: v1(5042,10794) 5042,10865.4 D12.2@5082.37,10865.4
  ETCH_TOP w23: J5.3@5001,10987 5001,10906 5041.6,10865.4 D12.2@5082.37,10865.4
  ETCH_BOTTOM w20: v1(5042,10794) 5177,10659 v1(5177,10405)
NetD13_2: D13.2 J5.2 U6.31 | length 763.2
  ETCH_TOP w10: U6.31@5187.8,10337.24 5187.8,10380.8 v1(5212,10405)
  ETCH_TOP w20: v1(5159,10794) 5159,10843 5181.4,10865.4 D13.2@5197.37,10865.4
  ETCH_TOP w23: J5.2@5101,10987 5101,10934 5169.6,10865.4 D13.2@5197.37,10865.4
  ETCH_BOTTOM w20: v1(5159,10794) 5212,10741 v1(5212,10405)
NetJ9_1: J9.1 U12.1.15
NetJ9_2: J9.2 U12.1.18
NetJ9_3: J9.3 U12.1.19
NetJ9_4: J9.4 U12.1.22
NetJ10_1: J10.1 U12.2.15
NetJ10_2: J10.2 U12.2.18
NetJ10_3: J10.3 U12.2.19
NetJ10_4: J10.4 U12.2.22
NetQ4_1: Q4.1 U6.30 | length 1411.4
  ETCH_TOP w10: v1(5180,10263) 5207.48,10290.48 U6.30@5207.48,10337.24
  ETCH_TOP w20: Q4.1@4094.37,10573.6 v1(4195.6,10573.6)
  ETCH_3_POWER w10: v1(4195.6,10573.6) 4195.6,10479.4 4480,10195 5112,10195 v1(5180,10263)
NetQ4_3: Q4.3 R14.1 | length 68.6
  ETCH_TOP w30: R14.1@3960,10642.34 3984.29,10642.34 Q4.3@4015.63,10611

## Text inside footprints (layer, text, board x,y; h text height)
J16: Mechanical 4 "2" at 6015,7038 h25; Mechanical 4 "1" at 6115,7038 h25; Bottom Overlay "1" at 6180,7023 h31
J17: Mechanical 4 "1" at 4511,10987 h25; Mechanical 4 "2" at 4411,10987 h25
J18: Mechanical 4 "1" at 3991,10987 h25 r180; Mechanical 4 "2" at 4091,10987 h25 r180
L1.1: Mechanical 4 "1" at 5735,7685 h25 r270; Mechanical 4 "2" at 5735,8395 h25 r270
L1.2: Mechanical 4 "1" at 4370,7680 h25 r270; Mechanical 4 "2" at 4370,8390 h25 r270
R1: Mechanical 4 "1" at 6135,9853 h25 r270; Mechanical 4 "2" at 6011,9853 h25 r270
R2: Mechanical 4 "1" at 5991,9773 h25 r90; Mechanical 4 "2" at 6115,9773 h25 r90
R3: Mechanical 4 "1" at 5541,9851 h25 r270; Mechanical 4 "2" at 5540,9794 h25 r270
TP2: Mechanical 4 "1" at 5616,9722 h25 r90
TP3: Mechanical 4 "1" at 5704,9923 h25 r90
TP5: Mechanical 4 "1" at 5601,10473 h25
TP6: Mechanical 4 "1" at 5598,10164 h25
TP7: Mechanical 4 "1" at 5598,10109 h25
TP8: Mechanical 4 "1" at 5523,10283 h25
TP9: Mechanical 4 "1" at 5523,10153 h25
TP10: Mechanical 4 "1" at 5513,10073 h25
TP16: Mechanical 4 "1" at 4794,8111 h25
TP18.1: Mechanical 4 "1" at 5531,10721.5 h25 r270
TP18.2: Mechanical 4 "1" at 5569.5,10491.5 h25
TP18.3: Mechanical 4 "1" at 5755.5,10708.5 h25 r270
TP18.6: Mechanical 4 "1" at 5833.5,10459 h25 r180
TP18.10: Mechanical 4 "1" at 5833.01,10459 h25 r180
TP18.11: Mechanical 4 "1" at 5816.5,10226 h25 r180
TP18.12: Mechanical 4 "1" at 5795.5,10006 h25 r180
TP18.13: Mechanical 4 "1" at 5803.5,10096 h25 r180
TP18.19: Mechanical 4 "1" at 4809,10515.5 h25 r270
TP18.20: Mechanical 4 "1" at 4547,10409 h25 r270
TP18.21: Mechanical 4 "1" at 4554,10427.01 h25 r270
TP18.22: Mechanical 4 "1" at 4326,10406.5 h25 r270
TP18.23: Mechanical 4 "1" at 4326,10426.5 h25 r270
TP18.24: Mechanical 4 "1" at 4089.5,10421.5 h25 r270
TP18.25: Mechanical 4 "1" at 5072.5,10162 h25
TP18.26: Mechanical 4 "1" at 5101.5,9949 h25
TP19.1: Mechanical 4 "1" at 5530,10881 h25 r270
TP19.2: Mechanical 4 "1" at 5410,10490.5 h25
TP19.3: Mechanical 4 "1" at 5754.5,10868 h25 r270
TP19.6: Mechanical 4 "1" at 5993,10460 h25 r180
TP19.10: Mechanical 4 "1" at 5992.5,10460 h25 r180
TP19.11: Mechanical 4 "1" at 5976,10227 h25 r180
TP19.12: Mechanical 4 "1" at 5955,10007 h25 r180
TP19.13: Mechanical 4 "1" at 5963,10097 h25 r180
TP19.19: Mechanical 4 "1" at 4808,10675 h25 r270
TP19.20: Mechanical 4 "1" at 4552,10567 h25 r270
TP19.21: Mechanical 4 "1" at 4553,10586.5 h25 r270
TP19.22: Mechanical 4 "1" at 4325,10566 h25 r270
TP19.23: Mechanical 4 "1" at 4325,10586 h25 r270
TP19.24: Mechanical 4 "1" at 4088.5,10581 h25 r270
TP19.25: Mechanical 4 "1" at 4913,10161 h25
TP19.26: Mechanical 4 "1" at 4942,9948 h25
U1: Mechanical 4 "10" at 5608,10569.27 h25 r270; Mechanical 4 "9" at 5677,10590.27 h25 r180; Mechanical 4 "7" at 5758,10589.27 h25 r270; Mechanical 4 "1" at 5727,10873.73 h25 r180; Mechanical 4 "2" at 5778,10852.73 h25 r90; Mechanical 4 "12" at 5546.27,10686 h25 r270; Mechanical 4 "13" at 5546.27,10736 h25 r270; Mechanical 4 "3" at 5823.73,10792 h25; Mechanical 4 "8" at 5727,10590.27 h25 r180; Mechanical 4 "14" at 5560.27,10780 h25 r180; Mechanical 4 "11" at 5560.27,10630 h25 r180; Mechanical 4 "4" at 5829.73,10756 h25 r270; Mechanical 4 "15" at 5633,10832.73 h25 r90; Mechanical 4 "6" at 5823.73,10642 h25; Mechanical 4 "16" at 5677,10853.73 h25 r180; Mechanical 4 "5" at 5829.73,10706 h25 r270
X1: Mechanical 4 "2" at 4800,10633 h25 r270; Mechanical 4 "1" at 5174,10633 h25 r270